# KiCad board ulx4m_panel.kicad_pcb (continued)
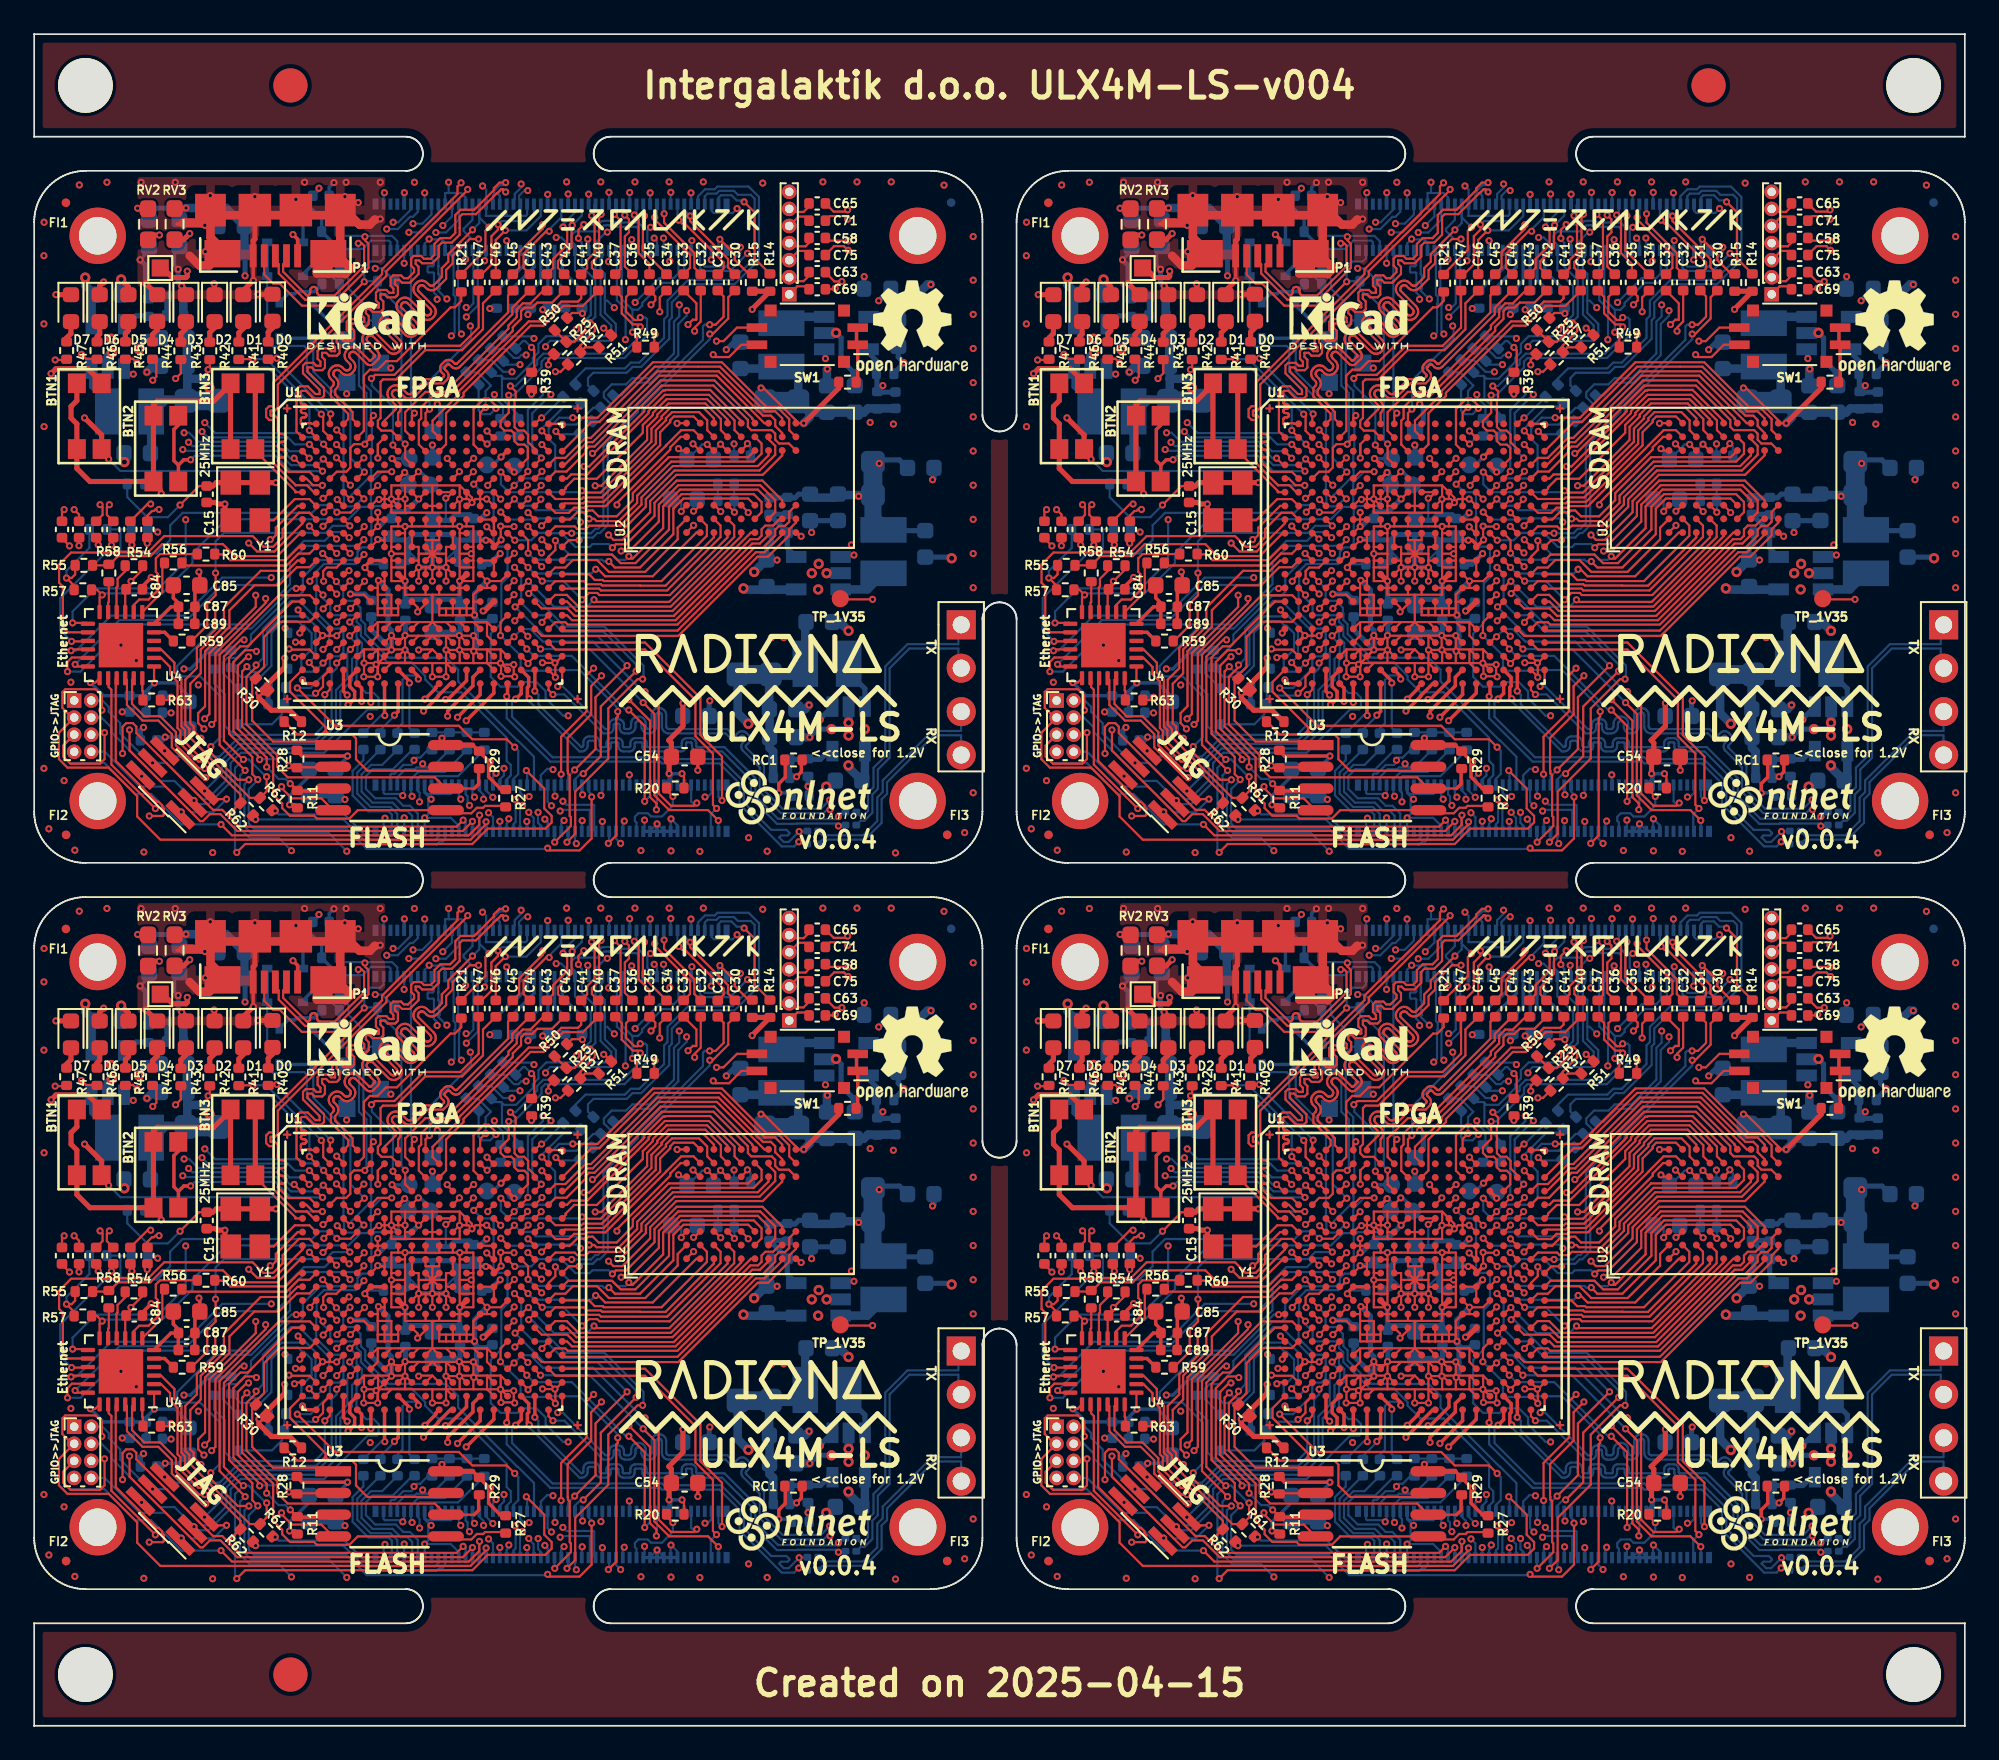
[diagram p0: board, top side]
## Routing (per net, layer and track width the routed paths; a pad name or vN(x,y) marks a point on that pad's centre or on a via; arc(x,y) is an arc through that point) (continued)
Board_0-+3.3VA: length 13.5
  Top w0.127: v1(7.04,61.04) 7.02,61.06 U4.1 ; v1(3.29,61.06) 3.58,61.06 U4.19
  POWER.Cu w0.2: v1(3.29,61.06) 3.31,61.04 v1(7.04,61.04)
  Bottom w0.2: C90#4.1 C86#4.1 4.06,60.29 v1(3.29,61.06) ; C90#4.1 6.56,60.56 v1(7.04,61.04) 8.26,61.04 9.04,60.26 FB1#2.2 ; C90#4.1 6.56,59.31 C88#3.1
Board_0-+5V: length 192.7
  Top w0.2: v1(15.15,87.28) 15.42,87.01 15.42,85.73
  Top w0.3: R15#4.1 R14#3.1 42.03,82.92 v3(42.03,82.9)
  POWER.Cu w0.3: 50.61,84.72 49.59,85.74 47.97,85.74 47.77,85.54 47.77,83.61 47.06,82.9 v3(42.03,82.9) 41.14,83.78 35.42,83.78 35.41,83.79 34.95,83.79 34.81,83.65 29.66,83.65 28.9,82.89 v3(28.9,82.59) ; v1(52.49,84.36) 53.02,83.83 53.02,74.74 52.04,73.77 51.34,73.77 ; 46.04,53.59 45.79,53.83 45.79,55.24 46.02,55.47 v1(46.02,58.88) ; v2(41.52,66.57) 44.1,66.57 45.91,64.76 51.34,64.76 ; v1(15.15,87.28) 15.11,87.32 11.28,87.32 9.28,89.32 6.11,89.32 6.1,89.31 5.83,89.31 5.57,89.05 5.57,88.2 5.75,88.02 5.75,86.33 4.41,84.99 3.84,84.99 3.61,84.76 v2(2.99,84.76) 5.53,82.22 5.53,79.38 v1(5.8,79.11)
  POWER.Cu w0.5: v1(35.73,53.01) 35.95,52.79 v1(36.46,52.79) 36.76,53.08 v1(37.28,53.08) 37.97,53.77 37.97,54.27 38.28,54.58 38.41,54.58 40.04,56.21 v2(47.67,56.21) 51.34,59.88 51.34,65.34 ; v2(2.99,84.76) 1.85,83.61 1.85,77.13 1.17,76.45 1.17,75.75 0.95,75.54 0.95,56.71 1.45,56.2 4.81,56.2 6.75,54.27 7.35,54.27 7.73,53.89 7.73,52.58 7.43,52.28 ; 51.34,73.77 51.23,73.66 51.23,71.61 51.07,71.45 51.07,65.61 51.34,65.34 ; 51.34,65.34 51.34,67.35 50.18,68.52 v1(47.99,68.52) ; 50.57,84.74 50.59,84.72 52.13,84.72 v1(52.49,84.36) 48.15,80.02 v1(46.32,80.02)
  Bottom w0.127: J1.87 37.66,52.7 v1(37.28,53.08) 37.26,53.06 J1.85 ; v1(36.46,52.79) 36.46,52.78 J1.81 ; v1(36.46,52.79) 36.86,52.39 J1.83 ; v1(36.46,52.79) 36.06,52.38 J1.79 ; 35.66,52.5 35.73,52.57 v1(35.73,53.01)
  Bottom w0.2: R13.1 28.07,82.97 R10#2.1 ; J1.77 J1.87
  Bottom w0.3: U7#4.1 46.32,80.49 v1(46.32,80.02) ; U5#3.1 46.02,58.94 v1(46.02,58.88) ; U6#3.1 5.59,79.11 v1(5.8,79.11) ; R10#2.1 29.07,82.76 v3(28.9,82.59) ; v1(47.99,68.52) 47.32,68.52 U8.1
  Bottom w0.5: U6#3.4 3.36,83.58 C1#2.1 2.99,84.31 v2(2.99,84.76) ; 44.61,66.5 41.58,66.5 v2(41.52,66.57) ; U5#3.4 48.63,55.5 C5.1 47.67,56.1 v2(47.67,56.21) ; U7#4.4 50.4,82.46 52.29,84.36 v1(52.49,84.36)
Board_0-/blinkey/ALED0: length 1.3
  Top w0.3: 13.7,80.97 13.7,81.56 13.95,81.81 D0#2.2
Board_0-/blinkey/ALED1: length 1.3
  Top w0.3: D1#4.2 12.24,81.79 11.98,81.53 11.98,80.96
Board_0-/blinkey/ALED2: length 1.3
  Top w0.3: D2#3.2 10.56,81.83 10.28,81.55 10.28,80.95
Board_0-/blinkey/ALED3: length 1.4
  Top w0.3: 8.59,80.95 8.59,81.47 8.88,81.77 D3#2.2
Board_0-/blinkey/ALED4: length 1.3
  Top w0.3: 6.93,80.97 6.93,81.43 7.2,81.7 D4#2.2
Board_0-/blinkey/ALED5: length 1.3
  Top w0.3: 5.34,80.97 5.34,81.49 5.52,81.66 D5#3.2
Board_0-/blinkey/ALED6: length 1.3
  Top w0.3: 3.68,80.97 3.68,81.3 3.84,81.45 D6#4.2
Board_0-/blinkey/ALED7: length 1.3
  Top w0.3: 1.9,80.97 1.9,81.23 2.16,81.48 D7.2
Board_0-/ethernet/ETH_7: length 3.4
  Top w0.127: U4.7 7.5,66.36 7.5,67.93 R56.1
Board_0-/ethernet/ETH_8: length 6.6
  Top w0.127: R60.1 7.37,68.58 7.12,68.33 7.12,67.54 7.25,67.41 7.25,66.47 6.7,65.92 6.15,65.92 5.83,65.6 U4.8
Board_0-/ethernet/ETH_10: length 2.9
  Top w0.127: U4.10 4.82,65.19 4.82,66.63 4.88,66.69 4.88,67.13 5.33,67.58 R54#4.1
Board_0-/ethernet/ETH_11: length 1.8
  Top w0.127: U4.11 4.33,65.74 4.37,65.78 R58.2
Board_0-/ethernet/RBIAS: length 1.3
  Top w0.127: U4.24 6.33,60.59 6.37,60.55 R63#4.1
Board_0-/ethernet/XTAL: length 1.3
  Top w0.2: U4.5 7.64,64 R59#2.1
Board_0-/flash/FLASH_MISO: length 16.3
  Top w0.127: v1(14.92,63.02) 14.95,62.99 16.12,62.99 U1#2.V2 ; v1(13.01,62.88) 12.94,62.95 12.35,62.95 11.67,62.26 11.67,58.2 13.1,56.76 13.1,56.64 v1(13.2,56.55) ; U3.2 17.48,56.1 15.38,56.1
  Top w0.2: v1(14.91,56.19) 15,56.1 15.38,56.1
  In2signal.Cu w0.127: v1(13.01,62.88) 13.15,63.02 v1(14.92,63.02)
  Bottom w0.127: v1(14.91,56.19) 14.52,56.58 13.23,56.58 v1(13.2,56.55)
Board_0-/flash/FLASH_MOSI: length 33.1
  Top w0.127: 27.6,53.81 27.57,53.84 26.4,53.84 26.29,53.73 25.91,53.73 25.59,53.41 24.28,53.41 U3.5 ; v1(12.45,61.99) 12.17,61.71 12.17,58.49 13.99,56.68 13.99,54.5 14.52,53.97 14.52,53.71 14.97,53.26 16.38,53.26 16.55,53.1 18.45,53.1 18.94,53.59 U3.5 ; U3.5 24.23,53.46 ; U1#2.W2 16.1,62.21 v1(16.1,62.23)
  Bottom w0.127: v1(12.45,61.99) 12.76,61.68 13.19,61.68 13.63,62.12 13.63,64.07 14.49,64.93 15.92,64.93 16.47,64.38 16.47,62.6 v1(16.1,62.23)
Board_0-/flash/FLASH_nCS: length 14.1
  Top w0.127: U3.1 17.29,57.6 13.98,57.6 12.76,58.83 12.76,61.28 13.46,61.98 13.46,63.73 14.35,64.62 16.13,64.62 U1#2.R2
Board_0-/flash/FLASH_nHOLD: length 16.3
  Top w0.127: 17.06,58.23 17.27,58.02 18.61,58.02 18.84,57.79 18.84,56.57 19.51,55.9 23.88,55.9 U3.7 ; 17.06,58.23 16.85,58.02 15.4,58.02 14.66,58.77 ; 17.06,58.23 17.06,58.45 14.98,60.52 14.98,61.09 15.69,61.8 U1#2.W1
Board_0-/flash/FLASH_nWP: length 16.9
  Top w0.127: v1(12.55,62.57) 12.44,62.57 11.92,62.05 11.92,58.36 13.61,56.67 v1(13.61,56.12) ; 15.12,54.71 15.15,54.74 R11#3.2 15.01,55.14 v1(14.99,55.14)
  Top w0.19: 16.51,60.98 U1#2.Y2 15.93,61 v1(15.71,61.22)
  Top w0.2: U3.3 17.36,54.71 15.41,54.71
  In2signal.Cu w0.127: v1(12.55,62.57) 12.63,62.48 13.18,62.48 13.67,62 14.93,62 v1(15.71,61.22)
  Bottom w0.127: v1(14.99,55.14) 14.71,55.42 14.31,55.42 v1(13.61,56.12)
Board_0-/flash/FLASH_SCK: length 29.8
  Top w0.127: v1(16.91,63) U1#2.U3 ; 25.76,54.86 U3.6 23.45,55.51 14.84,55.51 14.23,56.12 14.23,56.81 12.43,58.61 12.43,61.4 12.99,61.96 v1(12.99,62.08)
  Top w0.2: 26.06,56.05 26.02,56.02 26.02,55.12 25.76,54.86
  Bottom w0.127: 16.91,63.11 v1(16.91,63) 17.26,63.35 17.26,64.08 15.5,65.84 15.02,65.84 13.39,64.21 13.39,62.48 v1(12.99,62.08)
Board_0-/flash/FPGA_DONE: length 12.4
  Top w0.127: v1(17.02,60.35) 17.31,60.64 U1#2.Y3
  Bottom w0.127: 10.53,61.84 10.53,61.02 11.17,60.38 11.17,58.51 11.68,58 16.42,58 17.02,58.59 v1(17.02,60.35)
Board_0-/flash/FPGA_INITN: length 12.1
  Top w0.127: U1#2.V3 v1(16.91,62.2)
  Bottom w0.127: v1(16.91,62.2) 16.4,61.69 15.9,61.69 15.64,61.95 15.64,62.4 16.24,63 16.24,63.94 15.8,64.39 15.69,64.39 15.43,64.65 14.56,64.65 13.89,63.98 13.89,62.03 13.25,61.39 12.09,61.39 11.53,61.96
Board_0-/flash/FPGA_PROGRAMN: length 9.4
  Top w0.127: v1(16.48,60.43) 16.52,60.43 16.91,60.82 16.91,61.4 U1#2.W3
  Bottom w0.127: R31#3.2 15.2,60.3 16.34,60.3 v1(16.48,60.43) ; R31#3.2 14.65,60.71 C99#3.1 14.5,59.64 14.5,59.2 13.92,58.62 D28#4.2 ; R31#3.2 14.72,61.7 D15#4.2
Board_0-/gpio/CAM0_D0_LP: length 11.8
  Top w0.127: U1#2.B5 19.3,75.79 19.3,79.02 19.65,79.37 20.1,79.37 20.6,79.87 21.23,79.87 24.38,83.02 24.63,83.02 25,83.39 R21#4.2
Board_0-/power/FB1: length 5.6
  Top w0.2: v1(44.63,55.55) 44.91,55.83 44.91,56.51 44.93,56.53
  Bottom w0.2: v1(44.63,55.55) 44.3,55.55 C2#4.2
  Bottom w0.3: 46.53,57.25 U5#3.5 46.52,57.05 46.03,56.56 44.25,56.56 44.22,56.53 44.22,55.49 C2#4.2
  Bottom w0.5: 44.26,55.51 C2#4.2
Board_0-/power/FB2: length 3.8
  Bottom w0.3: C10#4.2 7.77,83.59 7.77,82.55 7.74,82.52 5.96,82.52 5.48,82.03 U6#3.5
Board_0-/power/FB3: length 4.1
  Bottom w0.3: 48.65,80.36 U7#4.5 48.85,80.35 49.33,79.86 49.33,78.08 49.36,78.05 50.41,78.05 C6#2.2
  vias: v3(49.68,78.44)
Board_0-/power/FB4: length 4.2
  Bottom w0.3: U8.5 44.08,68.93 44.08,69.86 C77#3.2 44.1,70.9
Board_0-/power/L1: length 2.9
  Bottom w0.3: 47.77,62.16 48.2,61.73 48.2,61.12 48.63,60.7 U5#3.3
Board_0-/power/L2: length 2.9
  Bottom w0.3: U6#3.3 3.36,78.38 3.79,77.95 3.79,77.35 4.22,76.92
Board_0-/power/L3: length 2.7
  Bottom w0.5: U7#4.3 44.11,82.46 L3#4.1
Board_0-/power/L4: length 2.9
  Bottom w0.5: U8.3 48.78,66.51 L4.1
Board_0-/serdes/1N: length 15.8
  Bottom w0.127: J4#4.1 54.1,64.27 54.1,63.3 51.13,63.3 49.82,62 49.82,56.76 49.13,56.07 49.13,54.93 48.81,54.61 48.81,53.54 48.5,53.22 48.38,53.22 C91#2.1
Board_0-/serdes/1P: length 15.8
  Bottom w0.127: C92.1 48.38,52.97 48.6,52.97 49.07,53.43 49.07,54.5 49.39,54.82 49.39,55.96 50.08,56.65 50.08,61.89 51.23,63.05 54.1,63.05 54.1,62.07 J4#4.2
Board_0-/serdes/2N: length 13.3
  Bottom w0.127: J4#4.3 54.26,59.35 54.26,58.22 52.57,58.22 49.67,55.33 49.67,54.65 49.35,54.33 49.35,52.95 48.52,52.12 46.15,52.12 C93#2.1
Board_0-/serdes/2P: length 13.4
  Bottom w0.127: J4#4.4 54.26,56.83 54.26,57.97 52.67,57.97 49.93,55.22 49.93,54.54 49.61,54.22 49.61,52.84 48.63,51.86 46.15,51.86 C94#4.1
Board_0-/serdes/CLK_0_N: length 30.1
  Top w0.127: v1(2.07,69.06) 1.63,69.49 C66#3.1
  Top w0.2: v1(22.79,59.39) 23.65,60.24 23.65,60.28 24.37,61 U1#2.Y12
  In2signal.Cu w0.127: v1(2.07,69.06) 2.36,68.76 2.36,66.71 9.55,59.52 10.11,59.52 11.52,58.11 21.51,58.11 v1(22.79,59.39)
Board_0-/serdes/CLK_0_P: length 30.1
  Top w0.127: C59#4.2 2.63,69.07 v1(2.62,69.07)
  Top w0.2: v1(22.87,60.09) 23.51,60.72 23.51,60.8 U1#2.Y11
  In2signal.Cu w0.127: v1(2.62,69.07) 2.62,66.8 9.68,59.75 10.21,59.75 11.59,58.36 21.13,58.36 22.03,59.26 22.03,59.47 21.55,59.95 21.55,60.17 21.76,60.17 22.24,59.69 22.45,59.69 22.85,60.09 v1(22.87,60.09)
Board_0-/serdes/CLK_1_N: length 69.4
  Top w0.127: v1(46.89,84.13) 46.84,84.08 C69.1 ; v1(30.65,60.83) 30.91,61.09 U1#2.W20
  In2signal.Cu w0.127: v1(46.89,84.13) 47.08,84.13 47.36,83.84 47.39,83.81 47.41,83.77 47.42,83.72 47.42,83.68 47.41,83.63 47.39,83.59 47.36,83.56 47.17,83.37 47.15,83.33 47.13,83.29 47.12,83.25 47.12,83.2 47.13,83.16 47.15,83.12 47.17,83.08 47.21,83.06 47.25,83.04 47.29,83.03 47.34,83.03 47.38,83.04 47.42,83.06 47.46,83.08 47.65,83.28 47.68,83.3 47.72,83.32 47.77,83.33 47.81,83.33 47.86,83.32 47.9,83.3 47.93,83.28 47.96,83.24 47.98,83.2 47.99,83.16 47.99,83.11 47.98,83.07 47.96,83.03 47.93,82.99 47.74,82.8 47.71,82.77 47.69,82.73 47.68,82.68 47.68,82.64 47.69,82.59 47.71,82.55 47.74,82.52 47.77,82.49 47.82,82.47 47.86,82.46 47.9,82.46 47.95,82.47 47.99,82.49 48.02,82.52 48.21,82.71 48.25,82.74 48.29,82.76 48.33,82.77 48.38,82.77 48.42,82.76 48.46,82.74 48.5,82.71 48.83,82.38 49.71,82.38 50.07,82.02 50.09,81.99 50.1,81.96 50.11,81.93 50.11,81.9 50.1,81.86 50.09,81.83 50.07,81.81 49.96,81.7 49.91,81.63 49.87,81.56 49.85,81.48 49.85,81.39 49.87,81.31 49.91,81.23 49.96,81.16 50.03,81.1 50.1,81.04 50.17,81.01 50.26,80.99 50.34,80.99 50.42,81.01 50.5,81.04 50.57,81.1 51.15,81.68 51.18,81.7 51.21,81.72 51.24,81.72 51.27,81.72 51.31,81.72 51.34,81.7 51.36,81.68 51.4,81.65 51.42,81.62 51.43,81.59 51.44,81.56 51.44,81.53 51.43,81.49 51.42,81.46 51.4,81.44 50.81,80.85 50.76,80.79 50.72,80.71 50.7,80.63 50.7,80.54 50.72,80.46 50.76,80.38 50.81,80.32 50.88,80.25 50.95,80.19 51.02,80.16 51.11,80.14 51.19,80.14 51.27,80.16 51.35,80.19 51.42,80.25 52,80.83 52.03,80.85 52.06,80.87 52.09,80.88 52.12,80.88 52.15,80.87 52.18,80.85 52.21,80.83 52.25,80.8 52.27,80.77 52.28,80.74 52.29,80.71 52.29,80.68 52.28,80.64 52.27,80.61 52.25,80.59 51.66,80 51.61,79.94 51.57,79.86 51.55,79.78 51.55,79.69 51.57,79.61 51.61,79.53 51.66,79.47 51.73,79.4 51.8,79.35 51.87,79.31 51.95,79.29 52.04,79.29 52.12,79.31 52.2,79.35 52.26,79.4 52.37,79.51 52.4,79.53 52.43,79.54 52.46,79.55 52.49,79.55 52.52,79.54 52.55,79.53 52.58,79.51 53.09,78.99 53.09,70.75 52.13,69.79 52.13,67.81 49.27,64.95 49.27,56.96 47.66,55.35 47.66,55.28 v1(46.57,54.19)
  Bottom w0.127: v1(46.57,54.19) 46.06,53.67 43.81,53.67 42.73,54.76 42.73,56.19 41.69,57.22 41.68,57.24 41.66,57.27 41.66,57.3 41.66,57.32 41.66,57.35 41.68,57.38 41.69,57.4 41.8,57.5 41.85,57.56 41.88,57.64 41.9,57.71 41.9,57.79 41.88,57.87 41.85,57.94 41.8,58 41.7,58.11 41.63,58.16 41.56,58.19 41.49,58.21 41.41,58.21 41.33,58.19 41.26,58.16 41.19,58.11 41.09,58 41.07,57.98 41.04,57.97 41.02,57.97 40.99,57.97 40.96,57.97 40.94,57.98 40.92,58 40.58,58.33 37.17,58.33 37.13,58.34 37.1,58.35 37.07,58.37 37.04,58.4 37.02,58.43 37,58.47 37,58.51 37,59.16 36.99,59.25 36.96,59.33 36.91,59.41 36.85,59.47 36.77,59.52 36.69,59.55 36.6,59.56 36.55,59.56 36.46,59.55 36.37,59.52 36.3,59.47 36.23,59.41 36.19,59.33 36.16,59.25 36.15,59.16 36.15,58.51 36.14,58.47 36.13,58.43 36.11,58.4 36.08,58.37 36.05,58.35 36.01,58.34 35.97,58.33 35.93,58.34 35.9,58.35 35.87,58.37 35.84,58.4 35.82,58.43 35.8,58.47 35.8,58.51 35.8,58.66 35.79,58.75 35.76,58.83 35.71,58.91 35.65,58.97 35.57,59.02 35.49,59.05 35.4,59.06 35.35,59.06 35.26,59.05 35.17,59.02 35.1,58.97 35.03,58.91 34.99,58.83 34.96,58.75 34.95,58.66 34.95,58.51 34.94,58.47 34.93,58.43 34.91,58.4 34.88,58.37 34.85,58.35 34.81,58.34 34.77,58.33 34.62,58.33 34.6,58.34 34.58,58.34 34.56,58.35 34.55,58.37 34.53,58.39 34.53,58.41 34.53,58.43 34.53,58.58 34.52,58.65 34.49,58.72 34.45,58.79 34.4,58.84 34.34,58.88 34.27,58.9 34.19,58.91 34,58.91 33.93,58.9 33.86,58.88 33.8,58.84 33.74,58.79 33.7,58.72 33.68,58.65 33.67,58.58 33.67,58.43 33.67,58.41 33.66,58.39 33.65,58.37 33.63,58.35 33.62,58.34 33.59,58.34 33.57,58.33 33.44,58.33 30.95,60.83 v1(30.65,60.83)
Board_0-/serdes/CLK_1_P: length 69.4
  Top w0.127: v1(30.37,60.36) 30.11,60.62 U1#2.Y19 ; C63#2.2 46.32,85.06 46.85,84.53 v1(47.28,84.53)
  In2signal.Cu w0.127: v1(47.28,84.53) 47.28,84.28 48.93,82.64 49.55,82.64 49.64,82.73 49.74,82.73 49.87,82.6 49.87,82.58 50.27,82.18 50.32,82.11 50.36,82.04 50.38,81.95 50.38,81.87 50.36,81.79 50.32,81.71 50.27,81.64 50.16,81.54 50.14,81.51 50.13,81.48 50.12,81.45 50.12,81.42 50.13,81.38 50.14,81.35 50.16,81.33 50.2,81.29 50.22,81.27 50.25,81.26 50.28,81.25 50.32,81.25 50.35,81.26 50.38,81.27 50.4,81.29 50.99,81.88 51.06,81.93 51.13,81.97 51.22,81.99 51.3,81.99 51.38,81.97 51.46,81.93 51.53,81.88 51.59,81.81 51.65,81.74 51.68,81.67 51.7,81.58 51.7,81.5 51.68,81.42 51.65,81.34 51.59,81.27 51.01,80.69 50.99,80.66 50.97,80.63 50.97,80.6 50.97,80.57 50.97,80.54 50.99,80.51 51.01,80.48 51.04,80.44 51.07,80.42 51.1,80.41 51.13,80.4 51.16,80.4 51.2,80.41 51.23,80.42 51.25,80.44 51.84,81.03 51.9,81.08 51.98,81.12 52.06,81.14 52.15,81.14 52.23,81.12 52.31,81.08 52.37,81.03 52.44,80.96 52.5,80.9 52.53,80.82 52.55,80.74 52.55,80.65 52.53,80.57 52.5,80.49 52.44,80.43 51.86,79.84 51.84,79.81 51.82,79.78 51.81,79.75 51.81,79.72 51.82,79.69 51.84,79.66 51.86,79.63 51.89,79.6 51.92,79.58 51.95,79.56 51.98,79.55 52.01,79.55 52.05,79.56 52.08,79.58 52.1,79.6 52.21,79.7 52.27,79.76 52.35,79.79 52.43,79.81 52.52,79.81 52.6,79.79 52.68,79.76 52.74,79.7 53.35,79.1 53.35,70.64 52.39,69.68 52.39,67.69 49.54,64.84 49.54,56.86 47.91,55.24 47.91,53.85 47.68,53.62 v1(46.59,53.62)
  Bottom w0.127: v1(30.37,60.36) 31.04,60.36 33.32,58.08 33.59,58.08 33.67,58.09 33.74,58.11 33.8,58.15 33.85,58.2 33.89,58.27 33.92,58.34 33.93,58.41 33.93,58.56 33.93,58.58 33.93,58.6 33.95,58.62 33.96,58.63 33.98,58.65 34,58.65 34.02,58.66 34.17,58.66 34.19,58.65 34.22,58.65 34.23,58.63 34.25,58.62 34.26,58.6 34.27,58.58 34.27,58.56 34.27,58.41 34.28,58.34 34.3,58.27 34.34,58.2 34.4,58.15 34.46,58.11 34.53,58.09 34.6,58.08 34.8,58.08 34.89,58.09 34.97,58.12 35.05,58.17 35.11,58.23 35.16,58.31 35.19,58.39 35.2,58.48 35.2,58.63 35.2,58.67 35.22,58.71 35.24,58.74 35.27,58.77 35.3,58.79 35.33,58.8 35.37,58.81 35.41,58.8 35.45,58.79 35.48,58.77 35.51,58.74 35.53,58.71 35.54,58.67 35.55,58.63 35.55,58.48 35.56,58.39 35.59,58.31 35.63,58.23 35.7,58.17 35.77,58.12 35.86,58.09 35.95,58.08 36,58.08 36.09,58.09 36.17,58.12 36.25,58.17 36.31,58.23 36.36,58.31 36.39,58.39 36.4,58.48 36.4,59.13 36.4,59.17 36.42,59.21 36.44,59.24 36.47,59.27 36.5,59.29 36.53,59.3 36.57,59.31 36.61,59.3 36.65,59.29 36.68,59.27 36.71,59.24 36.73,59.21 36.74,59.17 36.75,59.13 36.75,58.48 36.76,58.39 36.79,58.31 36.83,58.23 36.9,58.17 36.97,58.12 37.06,58.09 37.15,58.08 40.48,58.08 40.75,57.81 40.81,57.76 40.88,57.72 40.96,57.7 41.04,57.7 41.12,57.72 41.19,57.76 41.25,57.81 41.36,57.91 41.38,57.93 41.4,57.94 41.43,57.95 41.46,57.95 41.49,57.94 41.51,57.93 41.53,57.91 41.6,57.84 41.62,57.82 41.63,57.79 41.64,57.77 41.64,57.74 41.63,57.71 41.62,57.69 41.6,57.67 41.5,57.56 41.45,57.5 41.41,57.43 41.4,57.35 41.4,57.27 41.41,57.19 41.45,57.12 41.5,57.06 42.47,56.09 42.47,54.65 43.71,53.41 46.21,53.41 46.42,53.62 v1(46.59,53.62)
Board_0-/serdes/S_0_N: length 30.3
  Top w0.127: v1(3.75,69.12) 3.75,69.37 3.63,69.49 C67#2.1 3.68,69.54 3.82,69.4
  Top w0.2: U1#2.Y6 19.71,59.89 v1(19.71,59.89)
  In2signal.Cu w0.127: v1(3.75,69.12) 4.27,68.6 4.22,68.55 3.99,68.55 3.79,68.36 3.79,67.99 3.99,67.79 5.27,67.79 5.39,67.66 5.27,67.54 4.54,67.54 4.27,67.26 4.27,66.96 4.87,66.36 4.87,66.22 4.7,66.05 4.7,65.7 4.89,65.52 5.29,65.52 5.85,66.08 5.85,66.09 6.03,66.09 6.03,66.09 6.03,65.91 5.21,65.09 5.21,64.7 5.35,64.55 5.75,64.55 5.82,64.63 6.57,65.38 6.75,65.38 6.75,65.37 6.75,65.2 6.58,65.03 6.58,64.64 12.13,59.09 18.91,59.09 v1(19.71,59.89)
Board_0-/serdes/S_0_P: length 29
  Top w0.127: C61#4.2 4.48,69.39 4.52,69.35 v1(4.52,69.11)
  Top w0.2: v1(19.17,59.96) 19.17,60.74 U1#2.Y5
  In2signal.Cu w0.127: v1(4.52,69.11) 4.52,68.49 4.32,68.3 4.09,68.3 4.04,68.25 4.04,68.09 4.09,68.04 5.37,68.04 5.65,67.77 5.65,67.56 5.37,67.28 4.65,67.28 4.52,67.15 4.52,67.07 5.12,66.47 5.12,66.11 4.95,65.95 4.95,65.81 4.99,65.77 5.17,65.77 5.74,66.35 6.13,66.35 6.28,66.2 6.28,65.81 5.46,64.99 5.46,64.81 5.64,64.81 6.46,65.63 6.85,65.63 7,65.48 7,65.09 6.84,64.93 6.84,64.75 12.24,59.35 18.78,59.35 19.17,59.73 v1(19.17,59.96)
Board_0-/serdes/S_1_N: length 3.3
  Top w0.2: U1#2.Y8 21.31,59.37 v1(21.09,59.15)
  Bottom w0.127: v1(21.09,59.15) 21.09,59.11 20.27,58.29 C68.1
Board_0-/serdes/S_1_P: length 3.6
  Top w0.2: v1(20.53,59.13) 20.51,59.15 U1#2.Y7
  Bottom w0.127: C62#3.2 20.3,59.13 v1(20.53,59.13)
Board_0-/serdes/S_2_N: length 33.1
  Top w0.127: C72#3.1 5.72,69.45 v1(5.72,69.12) ; C72#3.1 5.63,69.29 5.6,69.26 ; C72#3.1 5.84,69.33
  Top w0.2: v1(18.37,59.76) 18.4,59.76 18.76,60.12 18.76,60.53 18.48,60.82 18.48,61.36 U1#2.W5
  In2signal.Cu w0.127: v1(18.37,59.76) 18.29,59.68 14.82,59.68 14.59,59.91 14.41,59.91 14.41,59.9 14.23,59.9 14.23,60.08 14.23,60.09 14.23,60.27 14.05,60.27 13.8,60.02 13.62,60.02 13.62,60.2 13.87,60.44 13.87,60.62 13.18,61.32 11.6,61.32 9.7,63.21 9.54,63.21 9.37,63.05 9,63.05 8.84,63.22 8.84,63.59 9.74,64.5 9.74,64.68 9.56,64.68 8.66,63.77 8.28,63.77 8.12,63.93 8.12,64.31 9.2,65.39 9.2,65.57 9.02,65.57 7.94,64.49 7.56,64.49 7.4,64.65 7.4,65.03 8.94,66.57 8.94,66.75 8.76,66.75 7.66,65.65 7.27,65.65 6.07,66.85 6.07,68.77 v1(5.72,69.12)
Board_0-/serdes/S_2_P: length 30.3
  Top w0.127: v1(6.62,69.21) 6.63,69.22 C55#3.2 6.45,69.36
  Top w0.2: v1(18.32,60.32) 18.11,60.54 U1#2.W4
  In2signal.Cu w0.127: v1(6.62,69.21) 6.34,68.93 6.34,66.94 7.37,65.9 7.55,65.9 8.66,67 9.05,67 9.2,66.85 9.2,66.46 7.65,64.92 7.65,64.76 7.67,64.74 7.83,64.74 8.92,65.82 9.31,65.82 9.45,65.68 9.45,65.29 8.37,64.2 8.37,64.04 8.39,64.02 8.55,64.02 9.46,64.93 9.85,64.93 10,64.78 10,64.39 9.09,63.48 9.09,63.32 9.11,63.3 9.27,63.3 9.43,63.47 9.81,63.47 11.71,61.57 13.29,61.57 14.91,59.95 17.95,59.95 v1(18.32,60.32)
Board_0-/serdes/S_3_N: length 5
  Top w0.2: U1#2.W9 22.49,61.42 v1(22.49,61.26)
  Bottom w0.127: v1(22.49,61.26) 22.28,61.47 21.82,61.47 21.56,61.21 21.56,58.67 21.27,58.38 C73#2.1
Board_0-/serdes/S_3_P: length 4.5
  Top w0.2: v1(21.96,61.03) 21.96,61.14 U1#2.W8
  Bottom w0.127: 21.98,58.39 C56#4.2 21.96,58.4 v1(21.96,61.03)
Board_0-/serdes/S_4_N: length 2.9
  Top w0.2: v1(25.29,58.82) 26.91,60.44 U1#2.Y15
  Bottom w0.127: 25.3,58.82 v1(25.29,58.82)
Board_0-/serdes/S_4_P: length 2.5
  Top w0.2: v1(24.78,59.03) 26.11,60.36 U1#2.Y14
Board_0-/serdes/S_5_N: length 72
  Top w0.127: v1(47.62,88.17) 47.44,88.36 46.59,88.36 C71#3.1
  Top w0.2: v1(28.18,60.09) 28.51,60.42 U1#2.Y17
  In2signal.Cu w0.127: v1(44.78,52.34) 45.35,51.76 48.11,51.76 49.17,52.83 49.17,55.18 51.79,57.8 51.79,64.86 54.23,67.3 54.23,81.46 49.41,86.28 49.41,87.1 48.2,88.32 47.77,88.32 v1(47.62,88.17)
  Bottom w0.127: C93#2.2 45.23,52.34 v1(44.78,52.34) 44.17,51.73 43.88,51.73 43.61,52 43.72,52.11 44.11,52.11 44.21,52.21 44.21,52.27 44.04,52.44 43.15,52.44 41.55,54.04 41.55,55.25 40.22,56.58 36.85,56.58 36.75,56.68 30.35,56.68 27.98,59.05 27.98,59.88 v1(28.18,60.09)
Board_0-/serdes/S_5_P: length 71.7
  Top w0.127: v1(47.62,88.72) 47.52,88.62 46.8,88.62 C65.2
  Top w0.2: v1(27.66,60.25) 27.71,60.29 U1#2.Y16
  In2signal.Cu w0.127: v1(44.76,51.74) 44.99,51.51 48.21,51.51 49.43,52.72 49.43,55.07 52.05,57.69 52.05,64.75 54.49,67.19 54.49,81.57 49.67,86.39 49.67,87.21 48.3,88.57 47.77,88.57 v1(47.62,88.72)
  Bottom w0.127: v1(27.66,60.25) 27.66,58.97 30.21,56.43 36.64,56.43 36.75,56.32 40.11,56.32 41.29,55.14 41.29,53.93 43.76,51.47 44.49,51.47 v1(44.76,51.74) 44.94,51.74 44.99,51.69 45.17,51.69 C94#4.2
Board_0-/serdes/S_6_N: length 3.5
  Top w0.2: v1(24.2,59.09) 24.2,59.39 25.68,60.87 25.68,61.37 U1#2.W14
Board_0-/serdes/S_6_P: length 2.3
  Top w0.2: v1(24.08,60.07) 24.21,60.07 25.31,61.16 U1#2.W13
Board_0-/serdes/S_7_N: length 70.3
  Top w0.127: C75#4.1 46.32,86.09 46.83,86.6 47.41,86.6 v1(47.65,86.35)
  Top w0.2: v1(29.31,60.56) 29.31,60.56 U1#2.W18
  In2signal.Cu w0.127: v1(47.08,53.21) 47.24,53.05 47.95,53.05 48.43,53.53 48.43,55.28 50.69,57.54 50.69,65.09 52.96,67.36 52.96,69.52 53.68,70.24 53.68,80.95 51.27,83.36 51.24,83.38 51.2,83.4 51.17,83.41 51.13,83.41 51.1,83.4 51.06,83.38 51.04,83.36 50.64,82.96 50.57,82.91 50.48,82.87 50.39,82.84 50.3,82.84 50.21,82.87 50.13,82.91 50.05,82.96 50.02,83 49.96,83.07 49.92,83.15 49.9,83.24 49.9,83.34 49.92,83.43 49.96,83.51 50.02,83.58 50.42,83.98 50.44,84.01 50.45,84.04 50.46,84.08 50.46,84.11 50.45,84.15 50.44,84.18 50.42,84.21 49.91,84.72 49.86,84.76 49.8,84.79 49.74,84.8 49.67,84.8 49.61,84.79 49.56,84.76 49.46,84.68 49.4,84.65 49.34,84.64 49.27,84.64 49.21,84.65 49.16,84.68 49.11,84.72 49.08,84.75 49.04,84.8 49.01,84.85 49,84.91 49,84.98 49.01,85.04 49.04,85.1 49.12,85.19 49.15,85.25 49.16,85.31 49.16,85.38 49.15,85.44 49.12,85.49 49.08,85.54 48.14,86.49 47.78,86.49 v1(47.65,86.35)
  Bottom w0.127: v1(29.31,60.56) 29.52,60.35 29.52,59.79 32.03,57.28 32.05,57.28 32.08,57.29 32.1,57.31 32.12,57.33 32.14,57.35 32.15,57.37 32.15,57.4 32.15,57.55 32.16,57.63 32.18,57.7 32.23,57.77 32.28,57.83 32.35,57.87 32.43,57.9 32.5,57.91 32.75,57.91 32.83,57.9 32.9,57.87 32.97,57.83 33.03,57.77 33.07,57.7 33.09,57.63 33.1,57.55 33.1,57.4 33.11,57.37 33.12,57.35 33.13,57.33 33.15,57.31 33.17,57.29 33.2,57.28 33.23,57.28 33.43,57.28 33.44,57.28 33.46,57.29 33.47,57.29 33.48,57.31 33.49,57.32 33.5,57.34 33.5,57.35 33.5,57.5 33.51,57.57 33.53,57.63 33.57,57.69 33.62,57.74 33.67,57.78 33.74,57.8 33.81,57.81 34.15,57.81 34.21,57.8 34.28,57.78 34.34,57.74 34.39,57.69 34.42,57.63 34.45,57.57 34.45,57.5 34.45,57.35 34.46,57.34 34.46,57.32 34.47,57.31 34.48,57.29 34.49,57.29 34.51,57.28 34.53,57.28 34.83,57.28 34.84,57.28 34.86,57.29 34.87,57.29 34.88,57.31 34.89,57.32 34.9,57.34 34.9,57.35 34.9,57.5 34.91,57.57 34.93,57.63 34.97,57.69 35.02,57.74 35.07,57.78 35.14,57.8 35.21,57.81 35.55,57.81 35.61,57.8 35.68,57.78 35.74,57.74 35.79,57.69 35.82,57.63 35.85,57.57 35.85,57.5 35.85,57.35 35.86,57.34 35.86,57.32 35.87,57.31 35.88,57.29 35.89,57.29 35.91,57.28 35.93,57.28 37.83,57.28 37.85,57.28 37.86,57.29 37.88,57.29 37.89,57.31 37.9,57.32 37.9,57.34 37.91,57.35 37.91,57.5 37.91,57.57 37.94,57.63 37.97,57.69 38.02,57.74 38.08,57.78 38.15,57.8 38.21,57.81 38.45,57.81 38.52,57.8 38.59,57.78 38.64,57.74 38.69,57.69 38.73,57.63 38.75,57.57 38.76,57.5 38.76,57.35 38.76,57.34 38.77,57.32 38.78,57.31 38.79,57.29 38.8,57.29 38.82,57.28 38.83,57.28 40.41,57.28 42.22,55.47 42.22,54.41 43.54,53.08 45.13,53.08 45.15,53.06 46.93,53.06 v1(47.08,53.21) 47.35,53.48 C91#2.2
Board_0-/serdes/S_7_P: length 70.9
  Top w0.127: v1(47.66,86.91) 47.65,86.92 46.48,86.92 C58#3.2
  Top w0.2: U1#2.W17 28.95,61.36 28.95,60.85 28.87,60.77 28.87,60.22 v1(28.98,60.11)
  In2signal.Cu w0.127: v1(47.08,52.66) 47.19,52.78 48.04,52.78 48.69,53.42 48.69,55.17 50.95,57.44 50.95,64.99 53.22,67.25 53.22,69.41 53.93,70.13 53.93,81.08 51.44,83.57 51.37,83.63 51.29,83.67 51.2,83.69 51.1,83.69 51.01,83.67 50.93,83.63 50.86,83.57 50.46,83.18 50.43,83.15 50.4,83.14 50.36,83.13 50.33,83.13 50.29,83.14 50.26,83.15 50.23,83.18 50.21,83.2 50.19,83.24 50.18,83.27 50.18,83.31 50.19,83.34 50.21,83.38 50.23,83.4 50.63,83.8 50.69,83.88 50.73,83.96 50.75,84.05 50.75,84.14 50.73,84.23 50.69,84.31 50.63,84.39 48.27,86.75 47.82,86.75 v1(47.66,86.91)
  Bottom w0.127: v1(28.98,60.11) 28.98,59.96 31.92,57.02 32.05,57.02 32.13,57.03 32.2,57.06 32.27,57.1 32.33,57.16 32.37,57.23 32.39,57.3 32.4,57.38 32.4,57.53 32.41,57.56 32.42,57.58 32.43,57.61 32.45,57.63 32.47,57.64 32.5,57.65 32.53,57.65 32.73,57.65 32.75,57.65 32.78,57.64 32.8,57.63 32.82,57.61 32.84,57.58 32.85,57.56 32.85,57.53 32.85,57.38 32.86,57.3 32.88,57.23 32.93,57.16 32.98,57.1 33.05,57.06 33.13,57.03 33.2,57.02 33.45,57.02 33.51,57.03 33.58,57.06 33.64,57.09 33.69,57.14 33.72,57.2 33.75,57.26 33.75,57.33 33.75,57.48 33.76,57.5 33.76,57.51 33.77,57.52 33.78,57.54 33.79,57.54 33.81,57.55 33.83,57.55 34.13,57.55 34.14,57.55 34.16,57.54 34.17,57.54 34.18,57.52 34.19,57.51 34.2,57.5 34.2,57.48 34.2,57.33 34.21,57.26 34.23,57.2 34.27,57.14 34.32,57.09 34.37,57.06 34.44,57.03 34.51,57.02 34.85,57.02 34.91,57.03 34.98,57.06 35.04,57.09 35.09,57.14 35.12,57.2 35.15,57.26 35.15,57.33 35.15,57.48 35.16,57.5 35.16,57.51 35.17,57.52 35.18,57.54 35.19,57.54 35.21,57.55 35.23,57.55 35.53,57.55 35.54,57.55 35.56,57.54 35.57,57.54 35.58,57.52 35.59,57.51 35.6,57.5 35.6,57.48 35.6,57.33 35.61,57.26 35.63,57.2 35.67,57.14 35.72,57.09 35.77,57.06 35.84,57.03 35.91,57.02 37.85,57.02 37.92,57.03 37.99,57.06 38.04,57.09 38.09,57.14 38.13,57.2 38.15,57.26 38.16,57.33 38.16,57.48 38.16,57.5 38.17,57.51 38.18,57.52 38.19,57.54 38.2,57.54 38.22,57.55 38.23,57.55 38.43,57.55 38.45,57.55 38.46,57.54 38.48,57.54 38.49,57.52 38.5,57.51 38.5,57.5 38.51,57.48 38.51,57.33 38.51,57.26 38.54,57.2 38.57,57.14 38.62,57.09 38.68,57.06 38.75,57.03 38.81,57.02 40.27,57.02 41.96,55.33 41.96,54.31 43.48,52.79 44.65,52.79 44.68,52.81 46.93,52.81 v1(47.08,52.66) 47.13,52.72 C92.2